# Altium PCB DIOT_PSU_integrated.PcbDoc (part 1 of 3) (continued)
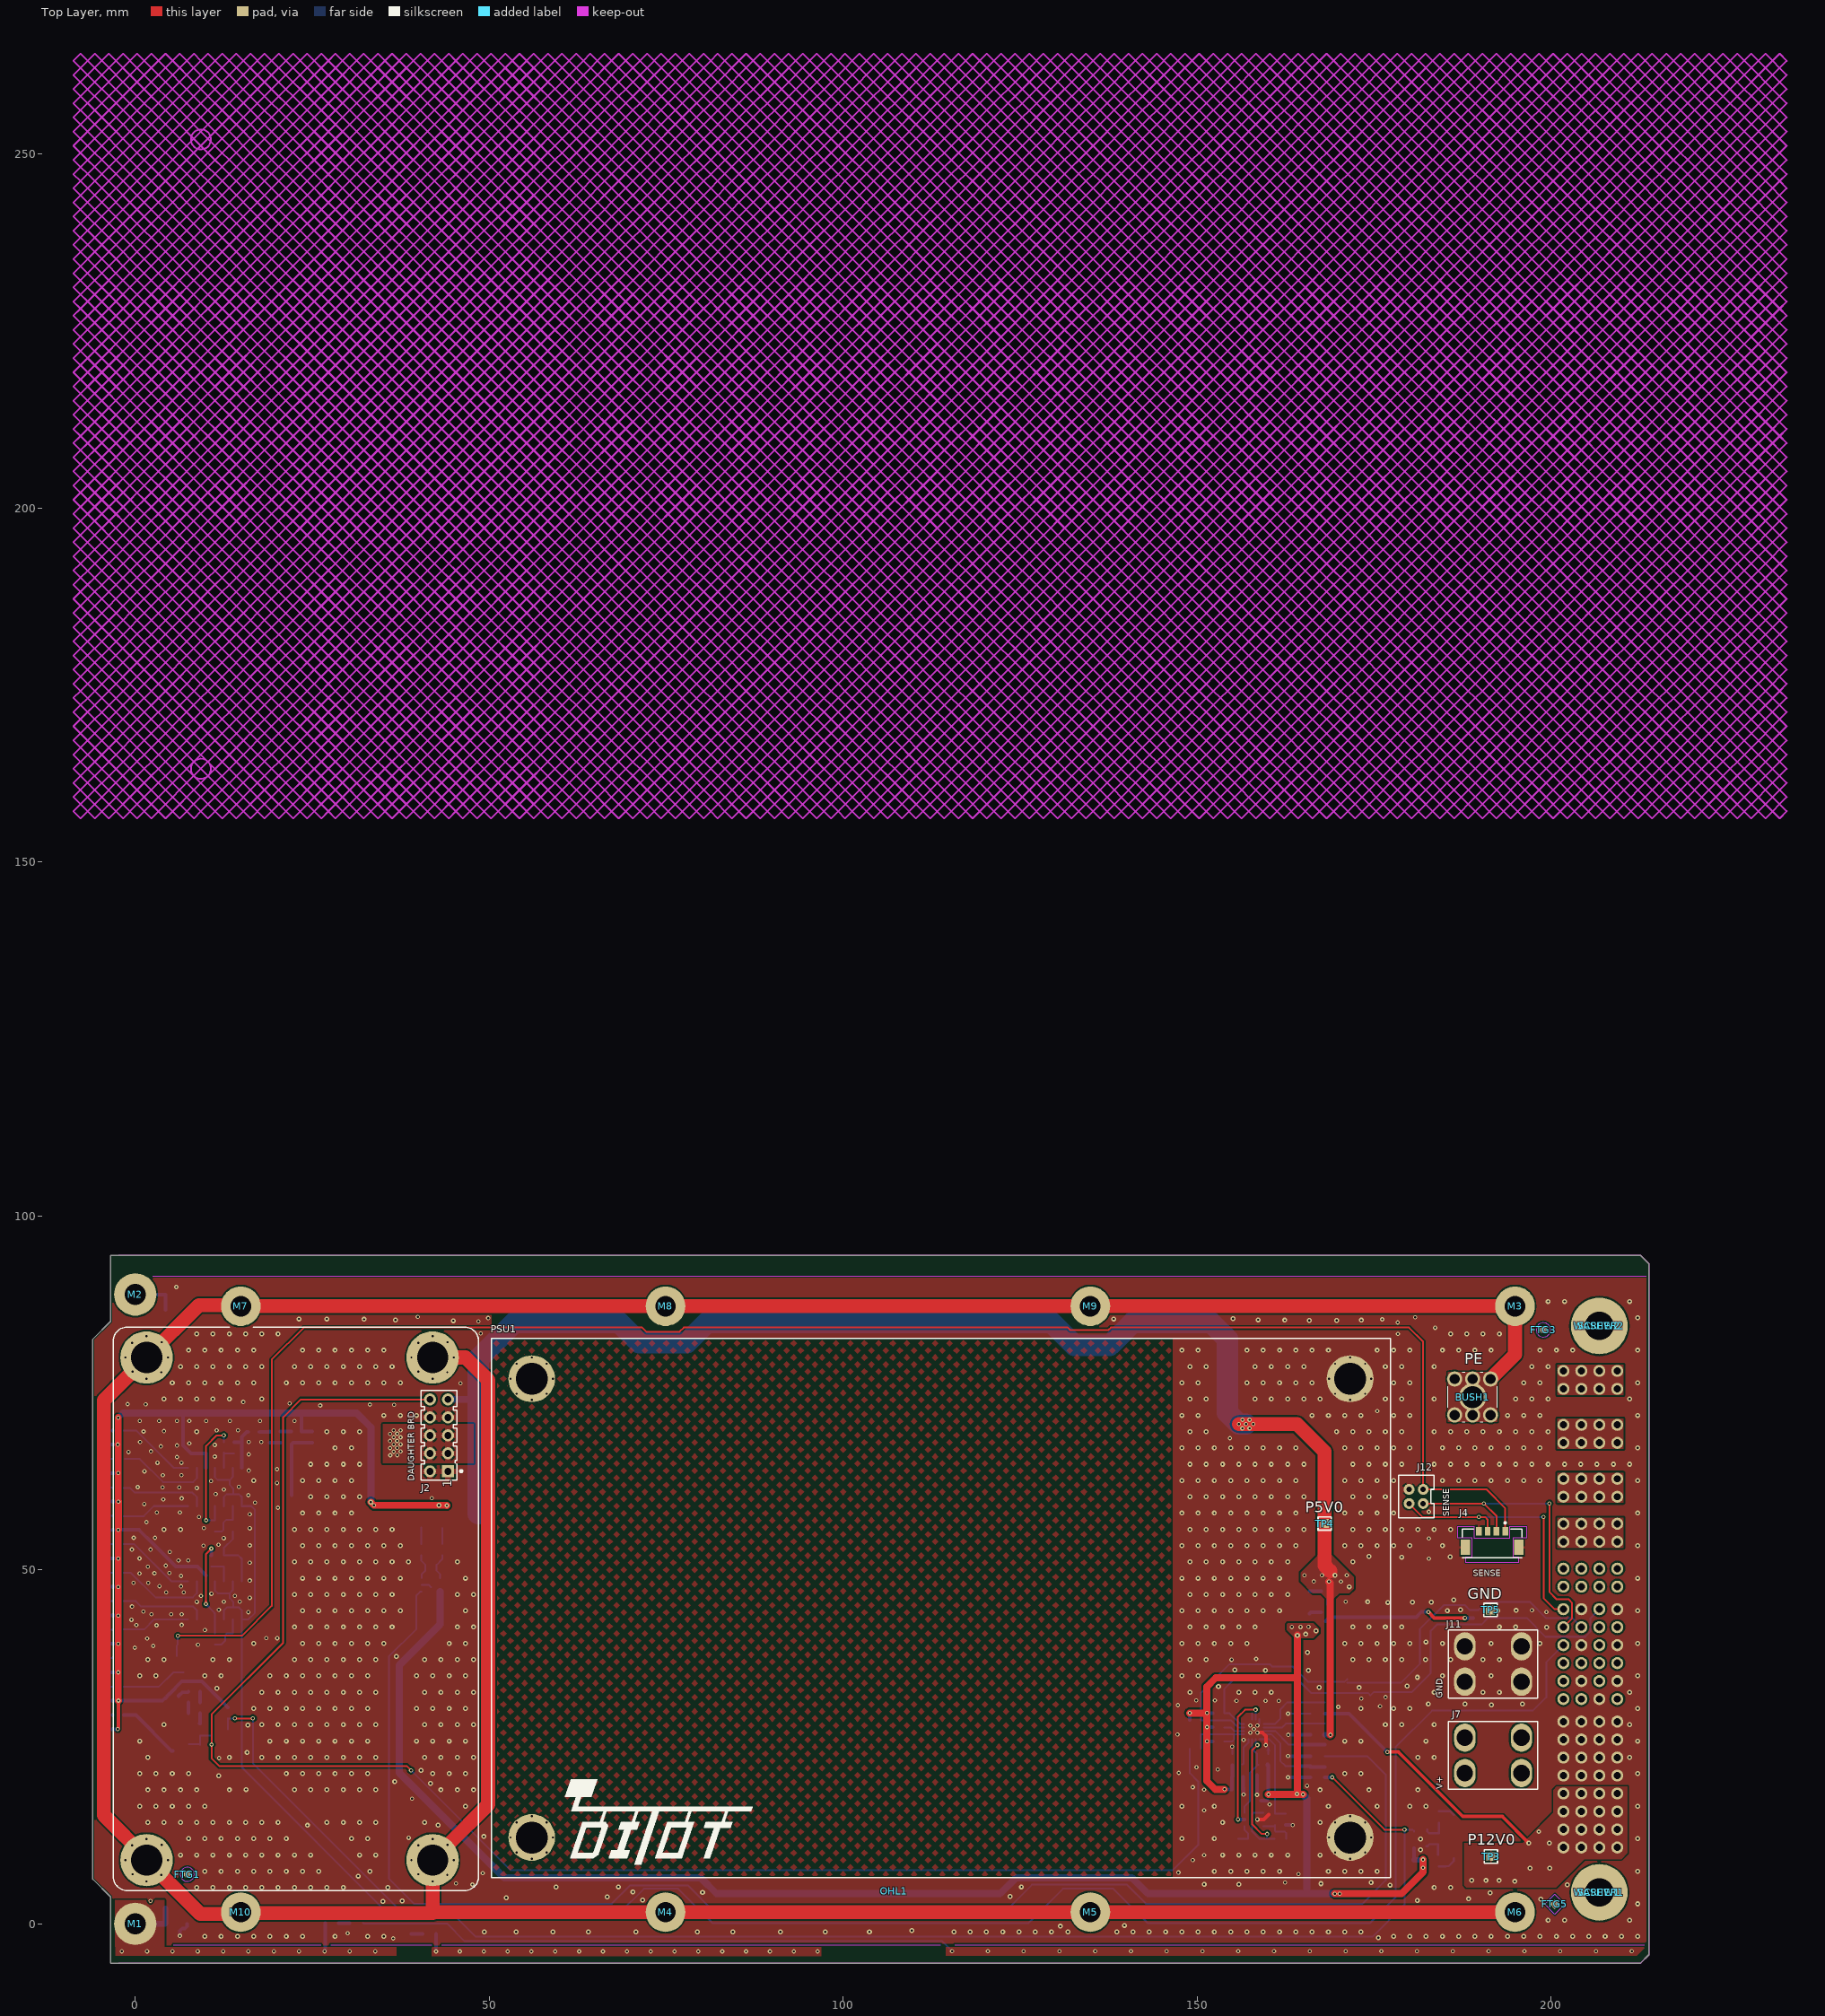
[diagram p0: Top Layer view]
## Components (designator, comment, footprint, x,y, rotation, side; value= is the part's Value field where it differs from the comment)
BUSH1 "M3" WURTH_7461057 188.9,74.425 r0 top
C1 "22pF" CAPC3216X180N 5.8,0 r0 bottom
C2 "22pF" CAPC3216X180N 5.8,88.9 r0 bottom
C3 "100nF" CAPC1608X87N 10,67.25 r90 bottom
C4 "100nF" CAPC1608X87N 8.75,51.25 r90 bottom
C5 "100nF" CAPC1608X87N 155.75,24 r180 bottom
C12 "100nF" CAPC1608X87N 162.5,14.75 r270 bottom
C13 "100nF" CAPC1608X87N 161.446,40.522 r180 bottom
C14 "1uF" CAPC1608X87N 155.709,19.002 r180 bottom
C15 "1uF" CAPC1608X87N 165.839,46.199 r90 bottom
C16 "100nF" CAPC1608X87N 165.039,43.799 r180 bottom
C19 "100nF" CAPC1608X87N 155.709,20.752 r0 bottom
C20 "1uF" CAPC1608X87N 159.259,20.752 r0 bottom
C21 "100nF" CAPC1608X87N 159.25,19.25 r180 bottom
C22 "100nF" CAPC1608X87N 149.75,26.75 r180 bottom
C23 "100nF" CAPC1608X87N 158.25,17.375 r0 bottom
C24 "1uF" CAPC1608X87N 41.775,50.706 r0 bottom
C26 "100nF" CAPC1608X87N 42.269,45.056 r180 bottom
C27 "100nF" CAPC1608X87N 164,21.5 r270 bottom
C28 "100nF" CAPC1608X87N 164,24.5 r270 bottom
C29 "100nF" CAPC1608X87N 164,27.475 r270 bottom
C30 "100nF" CAPC1608X87N 164,30.5 r270 bottom
C31 "100nF" CAPC1608X87N 159.25,24 r0 bottom
C32 "1uF" CAPC1608X87N 184.15,12.012 r270 bottom
C34 "100nF" CAPC1608X87N 180.649,8.245 r270 bottom
D1 "PESD3V3S1UB" SODFL1608X65N 178.75,18.175 r0 bottom
D3 "P6SMB6-8A" DIOM5436X261N 48.5,55.075 r270 bottom
D4 "PRTR5V0U2X" SOT190P230X110-4N 189.925,44.35 r270 bottom
D5 "P6SMB15A" DIOM5436X261N 198.375,7.875 r270 bottom
FTG1 "" FIDUCIAL_TOP_C100-200 7.34,7 r180 top
FTG2 "" FIDUCIAL_TOP_C100-200 20.475,85.725 r0 bottom
FTG3 "" FIDUCIAL_TOP_C100-200 198.9,83.9 r180 top
FTG4 "" FIDUCIAL_TOP_C100-200 200.6,2.6 r0 bottom
FTG5 "Use only in PCB" FIDUCIAL_TOP_S100-200 200.525,2.775 r90 top
FTG6 "Use only in PCB" FIDUCIAL_TOP_S100-200 199.622,84.592 r90 bottom
IC1 "LM339AD" SOIC127P600X175-14N 11.235,61.7 r270 bottom
IC2 "TL431CD" SOIC127P600X175-8N 20.25,63.25 r90 bottom
IC3 "LM339AD" SOIC127P600X175-14N 11.235,45.7 r270 bottom
IC6 "TLV2780" SOT95P280X145-6N 158,14.75 r180 bottom
IC7 "24AA025E48-I/SN" SOIC127P600X175-8N 165,37 r180 bottom
IC8 "ADS7924IRTE" WQFN-16 158,27.5 r0 bottom
IC9 "L78L33ACUTR" SOT89 169.4,45.5 r0 bottom
IC10 "INA194AIDBVT" SOT95P280X145-5N 41.775,47.856 r0 bottom
IC11 "INA194AIDBVT" SOT95P280X145-5N 181.555,11.999 r270 bottom
J1 "PwrBlade" AMPHENOL_51939-667 209.34,10.79 r0 bottom locked
J2 "Header 10" SAMTEC_TSW-105-07-L-D-LL 42.9,69 r90 top
J4 "505568-0431" FP-505568-0431-MFG 191.65,53.75 r180 top
J7 "AMT0430015DB0000G" AMT0430015DB0000G 191.8,23.8 r180 top
J8 "VHR-3N" VHR-3N 276.399,113.407 r0 top
J9 "SVH-41T-P1.1" SVH-41T-P1.1 267.883,113.006 r90 top
J10 "SVH-41T-P1.1" SVH-41T-P1.1 263.175,113.006 r90 top
J11 "AMT0430015DB0000G" AMT0430015DB0000G 191.8,36.7 r0 top
J12 "DF11-4DP-2DSA(01)" DF11-4DP-2DSA(01) 179.925,59.375 r90 top
J13 "DF11-4DS-2C" DF11-4DS-2C 257.567,110.206 r0 top
J16 "DF11-4DS-2C" DF11-4DS-2C 251.059,110.206 r0 top
J23 "9775066360R" 9775066360R 171.6,77 r0 bottom
J24 "9775066360R" 9775066360R 56,12.2 r0 bottom
J25 "9775066360R" 9775066360R 171.6,12.2 r0 bottom
J26 "9775066360R" 9775066360R 56,77 r270 bottom
L1 "10" RESC1608X55N 159.254,22.383 r180 bottom
L1 "15uH" IND_COILCRAFT_0603LS 159.259,22.382 r180 bottom
L2 "10" RESC1608X55N 155.75,22.405 r180 bottom
L2 "15uH" IND_COILCRAFT_0603LS 155.75,22.405 r180 bottom
LD1 "Green" LED_AVAGO_HSME-C120 -5.1,36.54 r270 bottom
LD2 "Red" LED_AVAGO_HSMC-C120 -5.1,28.5 r270 bottom
LD3 "Red" LED_AVAGO_HSMC-C120 -5.1,68.7 r270 bottom
LD4 "Red" LED_AVAGO_HSMC-C120 -5.1,64.68 r270 bottom
LD5 "Red" LED_AVAGO_HSMC-C120 -5.1,60.66 r270 bottom
LD6 "Red" LED_AVAGO_HSMC-C120 -5.1,56.64 r270 bottom
LD7 "Red" LED_AVAGO_HSMC-C120 -5.1,52.62 r270 bottom
LD8 "Red" LED_AVAGO_HSMC-C120 -5.1,48.6 r270 bottom
LD11 "Green" LED_AVAGO_HSME-C120 -5.1,32.52 r270 bottom
LD12 "Red" LED_AVAGO_HSMC-C120 -5.1,44.58 r270 bottom
LD13 "Red" LED_AVAGO_HSMC-C120 -5.1,40.56 r270 bottom
M1 "" MTG300_600 0,0 r0 top
M2 "" MTG300_600 0,88.9 r0 top
M3 "PTH_M2.5x5.6" PTH_2,9x5.6 194.9,87.25 r180 top
M4 "PTH_M2.5x5.6" PTH_2,9x5.6 74.9,1.65 r0 top
M5 "PTH_M2.5x5.6" PTH_2,9x5.6 134.9,1.65 r0 top
M6 "PTH_M2.5x5.6" PTH_2,9x5.6 194.9,1.65 r0 top
M7 "PTH_M2.5x5.6" PTH_2,9x5.6 14.9,87.25 r180 top
M8 "PTH_M2.5x5.6" PTH_2,9x5.6 74.9,87.25 r180 top
M9 "PTH_M2.5x5.6" PTH_2,9x5.6 134.9,87.25 r180 top
M10 "PTH_M2.5x5.6" PTH_2,9x5.6 14.9,1.65 r0 top
MP9 "9775046360R" 9775046360 42,9 r180 bottom
MP10 "9775046360R" 9775046360 42,80 r180 bottom
MP11 "9775046360R" 9775046360 1.6,80 r180 bottom
MP12 "9775046360R" 9775046360 1.6,9 r180 bottom
NUT1 "M3" BOSSARD_BN628-1241443_v 206.8,84.455 r180 bottom
NUT2 "M3" BOSSARD_BN628-1241443_v 206.8,4.44 r180 bottom
OHL1 "CERN_OHL" CERN_OHL 107.175,4.65 r0 top
PSU1 "LOP-400" LOP-400-12 56,77 r0 top locked
R1 "1M1" RESC2012X60N 5.265,2.149 r0 bottom
R2 "1M1" RESC2012X60N 5.298,86.729 r0 bottom
R3 "1k" RESC1608X55N -2.405,37.59 r180 bottom
R4 "10k" RESC1608X55N 5.313,32.187 r180 bottom
R5 "4M7" RESC2113X55N 41.525,-1.45 r180 bottom
R6 "4M7" RESC2113X55N 38.075,-1.45 r180 bottom
R7 "1k" RESC1608X55N -2.405,69.7 r180 bottom
R8 "1k" RESC1608X55N 25,68.75 r90 bottom
R9 "1k" RESC1608X55N 23.5,68.75 r90 bottom
R10 "10k" RESC1608X55N 22,68.75 r90 bottom
R11 "10k" RESC1608X55N 20.5,68.75 r270 bottom
R12 "10k" RESC1608X55N 19,68.75 r90 bottom
R13 "10k" RESC1608X55N 16.75,69.5 r180 bottom
R14 "10k" RESC1608X55N 14,67.25 r270 bottom
R15 "1k" RESC1608X55N -2.405,65.68 r180 bottom
R16 "10k" RESC1608X55N 12.5,67.25 r90 bottom
R17 "0" RESC1608X55N 161.75,12 r180 bottom
R18 "10k" RESC1608X55N 161,14.75 r270 bottom
R19 "0R1" FC4T 41.875,56.656 r180 bottom
R20 "4M7" RESC2113X55N 31.227,0.098 r180 bottom
R21 "1k" RESC1608X55N -2.405,53.633 r180 bottom
R22 "10k" RESC1608X55N 12.5,51.25 r270 bottom
R23 "1k" RESC1608X55N -2.405,49.59 r180 bottom
R24 "10k" RESC1608X55N 10.75,51.25 r90 bottom
R25 "1k" RESC1608X55N -2.405,45.59 r180 bottom
R26 "10k" RESC1608X55N 11.25,40.25 r270 bottom
R27 "1k" RESC1608X55N -2.405,41.59 r180 bottom
R28 "10k" RESC1608X55N 13.75,40.25 r270 bottom
R29 "4M7" RESC2113X55N 27.802,0.098 r180 bottom
R30 "10k" RESC1608X55N 6.8,39.45 r180 bottom
R31 "10k" RESC1608X55N 13.095,29.779 r90 bottom
R32 "1k" RESC1608X55N -2.405,29.484 r180 bottom
R33 "10k" RESC1608X55N 9.164,24.45 r90 bottom
R34 "10k" RESC1608X55N 8.33,32.814 r0 bottom
R35 "1k" RESC1608X55N -2.405,33.484 r180 bottom
R36 "1k" RESC1608X55N -2.405,61.59 r180 bottom
R37 "10k" RESC1608X55N 11.25,56.25 r270 bottom
R38 "1k" RESC1608X55N -2.405,57.59 r180 bottom
R39 "10k" RESC1608X55N 13.75,56.25 r270 bottom
R40 "10k" RESC1608X55N 8.33,31.295 r0 bottom
R41 "0" RESC1608X55N 149.75,24.775 r180 bottom
R42 "10k" RESC1608X55N 8.33,29.767 r0 bottom
R43 "10k" RESC1608X55N 155,12 r0 bottom
R44 "10k" RESC1608X55N 158,12 r0 bottom
R45 "10k" RESC1608X55N 9.116,27.507 r90 bottom
R46 "10k" RESC1608X55N 168,21.5 r90 bottom
R47 "10k" RESC1608X55N 153,25.75 r180 bottom
R48 "10k" RESC1608X55N 153,29.75 r180 bottom
R49 "10k" RESC1608X55N 149.75,28.75 r180 bottom
R50 "10k" RESC1608X55N 153,27.75 r180 bottom
R51 "10k" RESC1608X55N 168,24.5 r90 bottom
R52 "10k" RESC1608X55N 168,27.5 r90 bottom
R53 "10k" RESC1608X55N 168,30.5 r90 bottom
R54 "10k" RESC1608X55N 166,21.5 r90 bottom
R55 "10k" RESC1608X55N 166,24.5 r90 bottom
R56 "10k" RESC1608X55N 166,27.5 r90 bottom
R57 "10k" RESC1608X55N 166,30.5 r90 bottom
R59 "50" RESC1608X55N 40.375,52.856 r90 bottom
R60 "50" RESC1608X55N 43.375,52.856 r90 bottom
R62 "0R001" RES_VISHAY_WSL3637_0R001-0R0019 190.335,12.343 r270 bottom
R63 "50" RESC1608X55N 184.15,15.087 r90 bottom
R64 "50" RESC1608X55N 184.15,8.937 r270 bottom
SCREW1 "M3x10" BOSSARD_BN5687-3061608_v 206.8,4.44 r0 top
SCREW2 "M3x10" BOSSARD_BN5687-3061608_v 206.8,84.455 r0 top
T1 "BSS138LT1G" SOT95P240X110-3N 6.8,36.675 r270 bottom
T2 "BSS138LT1G" SOT95P240X110-3N 11.924,26.545 r180 bottom
T3 "BSS138LT1G" SOT95P240X110-3N 6.45,24.45 r180 bottom
TP1 "Test Point" TPS127 171.2,34.575 r180 bottom
TP2 "Test Point" TPS127 174.475,32.275 r180 bottom
TP3 "Test Point" TPS127 191.48,9.518 r0 top
TP4 "Test Point" TPS127 168,56.545 r0 top
TP5 "Test Point" TPS127 191.425,44.35 r0 top
WASHER1 "D6xd3.2" BOSSARD_BN83728-8243964_v 206.8,4.44 r90 top
WASHER2 "D6xd3.2" BOSSARD_BN83728-8243964_v 206.8,84.455 r0 top

## Footprints (in the part's own frame and the unit in brackets; to place one, negate y for a bottom-side part, rotate by r counter-clockwise, add the part's x,y. Pads: shape width x height; smd on the part's side, far side on the other; paste and mask are expansions set on the pad)
9775046360 [mm] "SMD Steel Spacer M3 Thread Internal, Pin Length 4.6mm"
  round 7.4 hole 4.4 paste-2539.97: 1(0,0)
  body extent -3,-3 2.99,3, height 1
9775066360R [mm]
  round 0.6 hole 0.3: 1(-3,0) 1(-2.121,-2.121) 1(-2.121,2.121) 1(0,-3) 1(0,3) 1(2.121,-2.121) 1(2.121,2.121) 1(3,0)
  round 7.7 / inner round 6.6 / far side round 6.6 hole 4.5: 1(0,0)
  silkscreen extent -4.2,-4.2 4.2,4.2, body extent -3,-3 2.99,3, height 1
AMPHENOL_51939-667 [mm] "Right Angle PowerBlade Power Connector 3ACP + 2P + 24S + 4P Contacts"
  round 1.7 hole 1: A1(0,-33.66) A2(0,-31.12) A3(0,-28.58) A4(0,-26.04) A5(0,-23.5) A6(0,-20.96) B1(-2.54,-33.66) B2(-2.54,-31.12) B3(-2.54,-28.58) B4(-2.54,-26.04) B5(-2.54,-23.5) B6(-2.54,-20.96) C1(-5.08,-33.66) C2(-5.08,-31.12) C3(-5.08,-28.58) C4(-5.08,-26.04) C5(-5.08,-23.5) C6(-5.08,-20.96) D1(-7.62,-33.66) D2(-7.62,-31.12) D3(-7.62,-28.58) D4(-7.62,-26.04) D5(-7.62,-23.5) D6(-7.62,-20.96) P1(-7.62,-67.32) P1(-7.62,-64.78) P1(-5.08,-67.32) P1(-5.08,-64.78) P1(-2.54,-67.32) P1(-2.54,-64.78) P1(0,-67.32) P1(0,-64.78) P2(-7.62,-59.7) P2(-7.62,-57.16) P2(-5.08,-59.7) P2(-5.08,-57.16) P2(-2.54,-59.7) P2(-2.54,-57.16) P2(0,-59.7) P2(0,-57.16) P3(-7.62,-52.08) P3(-7.62,-49.54) P3(-5.08,-52.08) P3(-5.08,-49.54) P3(-2.54,-52.08) P3(-2.54,-49.54) P3(0,-52.08) P3(0,-49.54) P4(-7.62,-45.73) P4(-7.62,-43.19) P4(-5.08,-45.73) P4(-5.08,-43.19) P4(-2.54,-45.73) P4(-2.54,-43.19) P4(0,-45.73) P4(0,-43.19) P5(-7.62,-39.38) P5(-7.62,-36.84) P5(-5.08,-39.38) P5(-5.08,-36.84) P5(-2.54,-39.38) P5(-2.54,-36.84) P5(0,-39.38) P5(0,-36.84) P6(-7.62,-17.78) P6(-7.62,-15.24) P6(-5.08,-17.78) P6(-5.08,-15.24) P6(-2.54,-17.78) P6(-2.54,-15.24) P6(0,-17.78) P6(0,-15.24) P7(-7.62,-12.7) P7(-7.62,-10.16) P7(-5.08,-12.7) P7(-5.08,-10.16) P7(-2.54,-12.7) P7(-2.54,-10.16) P7(0,-12.7) P7(0,-10.16) P8(-7.62,-7.62) P8(-7.62,-5.08) P8(-5.08,-7.62) P8(-5.08,-5.08) P8(-2.54,-7.62) P8(-2.54,-5.08) P8(0,-7.62) P8(0,-5.08) P9(-7.62,-2.54) P9(-7.62,0) P9(-5.08,-2.54) P9(-5.08,0) P9(-2.54,-2.54) P9(-2.54,0) P9(0,-2.54) P9(0,0)
  round 4.7 / inner round 4.7 / far side round 8 hole 4: MTG1(-2.54,6.345) MTG2(-2.54,-73.665)
  silkscreen extent -8.25,-77.47 15.37,10.16, body extent -8.25,-77.47 15.37,10.16, height 12.57
AMT0430015DB0000G [mm]
  oval 3x4 hole 2.3: 1(-4,-2.5) 1(-4,2.5) 1(4,-2.5) 1(4,2.5)
  silkscreen extent -6.3,-4.8 6.3,4.8, body extent -4.5,-3.25 4.5,3.25, height 12.01
BOSSARD_BN628-1241443_v [mm] "M3 Hexagon Nut ~0,8d, ISO 4032, DIN 934, Stainless Steel A2"
  silkscreen extent -3.74,-4.07 4.26,3.93, body extent -3.18,-2.75 3.18,2.75, height 6.4
BOSSARD_BN5687-3061608_v [mm] "M3 L=10mm Hexalobular Socket Pan Head Screw, Fully Threaded - Stainless Steel A2"
  body extent -2.7,-2.76 2.9,2.84, height 3
BOSSARD_BN83728-8243964_v [mm] "Waved Spring Washer for M3 Screw - Steel 440-520 HV - Zinc Plated Blue"
  body extent -2.99,-3 3,3, height 0.5
CAPC1608X87N [mm] "Chip Capacitor, Body 1.6x0.8mm IPC Medium Density"
  rect 0.95x1 smd: 1(-0.8,0) 2(0.8,0)
  body extent -0.87,-0.47 0.88,0.48, height 0.87
CAPC3216X180N [mm] "Chip Capacitor, Body 3.2x1.6mm, IPC Medium Density"
  rect 1.15x1.8 smd: 1(-1.5,0) 2(1.5,0)
  silkscreen extent -0.55,-0.8 0.55,0.8, body extent -1.7,-0.9 1.7,0.9, height 1.8
CERN_OHL [mm]
DF11-4DP-2DSA(01) [mil]
  round 60 hole 30: 1(0,0) 2(0,-78.74) 3(78.74,0) 4(78.74,-78.74)
  silkscreen extent -79,-138 157,59, body extent -79,-138 157,59, height 260
DF11-4DS-2C [mm]
  body extent -3,-2.5 3,2.5, height 0.01
DIOM5436X261N [mm]
  rect 2.2x2.15 smd: 1(-2.2,0) 2(2.2,0)
  silkscreen extent -3.92,-1.8 2.7,1.8, body extent -2.7,-1.95 2.7,1.95, height 2.59
FC4T [mm]
  rect 1.8x1.1 smd: E1(-1.5,-0.7) E2(1.5,-0.7) I1(-1.5,0.7) I2(1.5,0.65)
  silkscreen extent -2.6,-1.5 2.6,1.5
FIDUCIAL_TOP_C100-200 [mm] "Round Fiducial Target, Top Layer, 1.0mm, Top Solder 2.0mm, Keepout =2.0mm"
  round 1 smd paste-0.51 mask+0.5: FTG2(0,0)
  Top Layer keep-out circle w0.1: c0,0 r1
FIDUCIAL_TOP_S100-200 [mm] "Square Fiducial Target, Top Layer, 1.0mm, Top Solder 2.0mm, Keepout =2.0mm"
  rect 1x1 smd rot 45 paste-0.51 mask+0.5: 1(0,0)
  Top Layer keep-out region: 1.414,0 0,-1.414 -1.414,0 0,1.414
FP-505568-0431-MFG [mm]
  rect 0.8x1.2 smd paste+0 mask+0: 1(-1.875,-1.725) 2(-0.625,-1.725) 3(0.625,-1.725) 4(1.875,-1.725)
  rect 1.3x2.15 smd paste+0 mask+0: 5(-3.775,0.57) 6(3.775,0.57)
  Keep-Out Layer region: -3.725,2.745 3.725,2.745 3.725,1.905 2.794,1.905 2.794,-0.762 4.825,-0.762 4.825,-2.405 2.54,-2.405 2.54,-0.762 -2.54,-0.762 -2.54,-2.405 -4.825,-2.405 -4.825,-0.762 -2.921,-0.762 -2.921,1.905 -3.725,1.905
  silkscreen extent -4.23,-3.02 4.23,2.02, body extent -4.52,-2.42 4.52,2.12, height 0.25
IND_COILCRAFT_0603LS [mm] "SMD Inductor  Body Width 1.27mm Body Lenght 1.8mm Height 1.12mm, 0603LS Series"
  rect 0.64x1.02 smd: 1(-0.64,0) 2(0.64,0)
  silkscreen extent 0,-0.58 0,0.58, body extent -0.9,-0.58 0.9,0.58, height 1.12
LED_AVAGO_HSMC-C120 [mm] "Red Chip LED, 2-Leads, Body 1.7x1.1mm, Side Emitting Package"
  rect 0.8x0.7 smd: 1(-1,0) 2(1,0)
  rect 0.4x0.4 smd: 3(0,-0.35)
  silkscreen extent -1.12,-0.92 0.42,0.8, body extent -0.85,-0.3 0.85,0.8, height 0.7
LED_AVAGO_HSME-C120 [mm] "Green Chip LED, 2-Leads, Body 1.7x1.1mm, Side Emitting Package"
  rect 0.8x0.7 smd: 1(-1,0) 2(1,0)
  rect 0.4x0.4 smd: 3(0,-0.35)
  silkscreen extent -0.33,0.8 0.33,0.8, body extent -0.85,-0.3 0.85,0.8, height 0.7
LOP-400-12 [mm]
  silkscreen extent -5.71,-70.49 121.29,5.71, body extent -6.37,-70.69 121.29,5.71, height 32.22
MTG300_600 [mm] "Plated Through Hole: Hole Dia.=3.0mm Pad Dia.=6.0mm"
  round 6 hole 3: 1(0,0)
PTH_2,9x5.6 [mm]
  round 5.6 hole 2.9: 1(0,0)
RES_VISHAY_WSL3637_0R001-0R0019 [mm] "EIA 3637, Metric 9194, Current Sense Resistor, Chip, 0.89mm H, IPC Medium Density"
  rect 4.27x1.68 smd: E1(-3.075,4.115) E2(3.075,4.115)
  rect 4.27x7.62 smd: I1(-3.075,-1.145) I2(3.075,-1.145)
  silkscreen extent -0.59,-4.51 0.59,4.89, body extent -4.57,-4.51 4.57,4.89, height 0.89
RESC1608X55N [mm] "Chip Resistor, EIA 0603, Metric 1608, Body 1.6x0.8mm, IPC Medium Density"
  rect 0.9x1 smd: 1(-0.8,0) 2(0.8,0)
  body extent -0.87,-0.47 0.88,0.48, height 0.55
RESC2012X60N [mm] "Chip Resistor, EIA 0805, Metric 2012, Body 2.0x1.2mm, IPC Medium Density"
  rect 0.95x1.4 smd: 1(-1,0) 2(1,0)
  silkscreen extent 0,-0.55 0,0.55, body extent -1.1,-0.67 1.1,0.68, height 0.6
RESC2113X55N [mm] "Chip Resistor, EIA 0805, Metric 2113, Body 2.05x1.3mm, IPC Medium Density"
  rect 1x1.45 smd: 1(-0.95,0) 2(0.95,0)
  silkscreen extent 0,-0.55 0,0.55, body extent -1,-0.62 1,0.63, height 0.55
SAMTEC_TSW-105-07-L-D-LL [mm] "10 Contacts, Pitch 2.54mm - Dual Row, Through Mount Straigh Header"
  rect 1.7x1.7 hole 1: 1(-5.08,-1.27)
  round 1.7 hole 1: 2(-5.08,1.27) 3(-2.54,-1.27) 4(-2.54,1.27) 5(0,-1.27) 6(0,1.27) 7(2.54,-1.27) 8(2.54,1.27) 9(5.08,-1.27) 10(5.08,1.27)
  silkscreen extent -6.35,-3.29 6.35,2.54, body extent -6.35,-2.54 6.35,2.54, height 8.38
SODFL1608X65N [mm] "Ultra Small Outline Diode Flat Lead (SOD-523), Body; 1.2mm L X 0.8mm W X 0.65mm H, IPC Medium Density"
  rect 0.75x0.5 smd: 1(-0.7,0) 2(0.7,0)
  silkscreen extent -1.22,0.63 -0.97,0.87, body extent -0.82,-0.42 0.83,0.43, height 0.65
SOIC127P600X175-8N [mm] "SOIC 8, Pitch 1.27mm - Body 4x5mm, IPC Medium Density"
  rect 1.55x0.6 smd: 1(-2.7,1.905) 2(-2.7,0.635) 3(-2.7,-0.635) 4(-2.7,-1.905) 5(2.7,-1.905) 6(2.7,-0.635) 7(2.7,0.635) 8(2.7,1.905)
  silkscreen extent -2.52,-2.5 1.55,2.88, body extent -3.1,-2.5 3.1,2.5, height 1.75
SOIC127P600X175-14N [mm]
  rect 1.55x0.6 smd: 1(-2.7,3.81) 2(-2.7,2.54) 3(-2.7,1.27) 4(-2.7,0) 5(-2.7,-1.27) 6(-2.7,-2.54) 7(-2.7,-3.81) 8(2.7,-3.81) 9(2.7,-2.54) 10(2.7,-1.27) 11(2.7,0) 12(2.7,1.27) 13(2.7,2.54) 14(2.7,3.81)
  silkscreen extent -2.52,-4.4 1.55,4.78, body extent -3.1,-4.37 3.1,4.38, height 1.75
SOT89 [mm] "SOT89-3, 3-Leads, Body 2.48x4.5mm"
  rect 1.25x0.7 smd: 1(-1.89,1.5) 3(-1.89,-1.5)
  rect 1.35x0.7 smd: 2(-1.84,0)
  rect 3x0.85 smd: 2(0.33,0)
  rect 2.475x0.525 smd: 2(0.592,-0.687) 2(0.592,0.687)
  Top Layer region: -1.165,0.425 -0.64,0.95 -0.64,-0.95 -1.165,-0.425
  silkscreen extent -2.22,-2.25 1.24,2.58, body extent -2.44,-2.25 1.81,2.25, height 1.6
SOT95P240X110-3N [mm] "SOT23 3-Leads, Pitch 0.95mm, Body 1.3x2.9mm, IPC Medium Density"
  rect 1.05x0.65 smd: 1(-1.15,0.95) 2(-1.15,-0.95) 3(1.15,0)
  silkscreen extent -1.52,-1.45 0.3,1.92, body extent -1.25,-1.5 1.25,1.5, height 1.1
SOT95P280X145-5N [mm] "SOT, 0.95mm pitch; 5 pin, 1.60mm W X 2.90mm L X 1.45mm H body, IPC Medium Density"
  rect 1.1x0.6 smd: 1(-1.3,0.95) 2(-1.3,0) 3(-1.3,-0.95) 4(1.3,-0.95) 5(1.3,0.95)
  silkscreen extent -1.72,-1.45 0.43,1.87, body extent -1.4,-1.5 1.4,1.5, height 1.45
SOT95P280X145-6N [mm]
  rect 1.05x0.6 smd: 1(-1.35,0.95) 2(-1.35,0) 3(-1.35,-0.95) 4(1.35,-0.95) 5(1.35,0) 6(1.35,0.95)
  silkscreen extent -1.78,-1.55 0.45,1.9, body extent -1.4,-1.5 1.4,1.5, height 1.45
SOT190P230X110-4N [mm] "SOT143, SOT, 1.90mm Pitch; 4 Pin, 1.30mm W X 2.90mm L X 1.10mm H body, IPC Medium Density"
  rect 1x1 smd: 1(-1.15,0.75)
  rect 1x0.6 smd: 2(-1.15,-0.95) 3(1.15,-0.95) 4(1.15,0.95)
  silkscreen extent -1.52,-1.45 0.33,1.87, body extent -1.25,-1.5 1.25,1.5, height 1.1
SVH-41T-P1.1 [mm]
  body extent -5.3,-2.1 5.3,2.1, height 4.6
TPS127 [mm] "1.27 x  1.27mm SMD Test Point Area"
  rect 1.27x1.27 smd paste-1.27: 1(0,0)
  silkscreen extent -0.94,-0.94 0.94,0.94
VHR-3N [mm]
  body extent -5.91,-5.7 5.91,4.8, height 29.3
WQFN-16 [mm]
  rrect50% 0.6x0.24 smd: 1(-1.4,0.75) 2(-1.4,0.25) 3(-1.4,-0.25) 4(-1.4,-0.75) 9(1.4,-0.75) 10(1.4,-0.25) 11(1.4,0.25) 12(1.4,0.75)
  rrect50% 0.24x0.6 smd: 5(-0.75,-1.4) 6(-0.25,-1.4) 7(0.25,-1.4) 8(0.75,-1.4) 13(0.75,1.4) 14(0.25,1.4) 15(-0.25,1.4) 16(-0.75,1.4)
  rect 1.68x1.68 smd: 17(0,0)
  silkscreen extent -2.1,-1.5 1.5,1.5, body extent -1.5,-1.5 1.5,1.5, height 0.8
WURTH_7461057 [mm] "7x7x6mm REDCUBE Press-Fit with Internsl Threaded Hole M3,Two Rows Pin-Plate WP-BUTR"
  round 2.15 hole 1.45: 1(-2.54,-2.54) 1(-2.54,2.54) 1(0,-2.54) 1(0,2.54) 1(2.54,-2.54) 1(2.54,2.54)
  round 3.9 hole 3.1: 1(0,0)
  silkscreen extent -3.5,-3.5 3.5,3.5, body extent -3.5,-3.5 3.5,3.5, height 6.1
